# Altium PCB RS2-708_V010.PcbDoc (part 4 of 4)
Units mil, origin at the board's own origin, x right, y up, seen from the top; angles counter-clockwise.
Board outline 2677.17 x 2677.17 mil, 4 copper layers (Top Layer, Layer 1, Layer 2, Bottom Layer), stack 30.841 mil thick; 243 components, 173 nets, 854 pads, 395 vias.
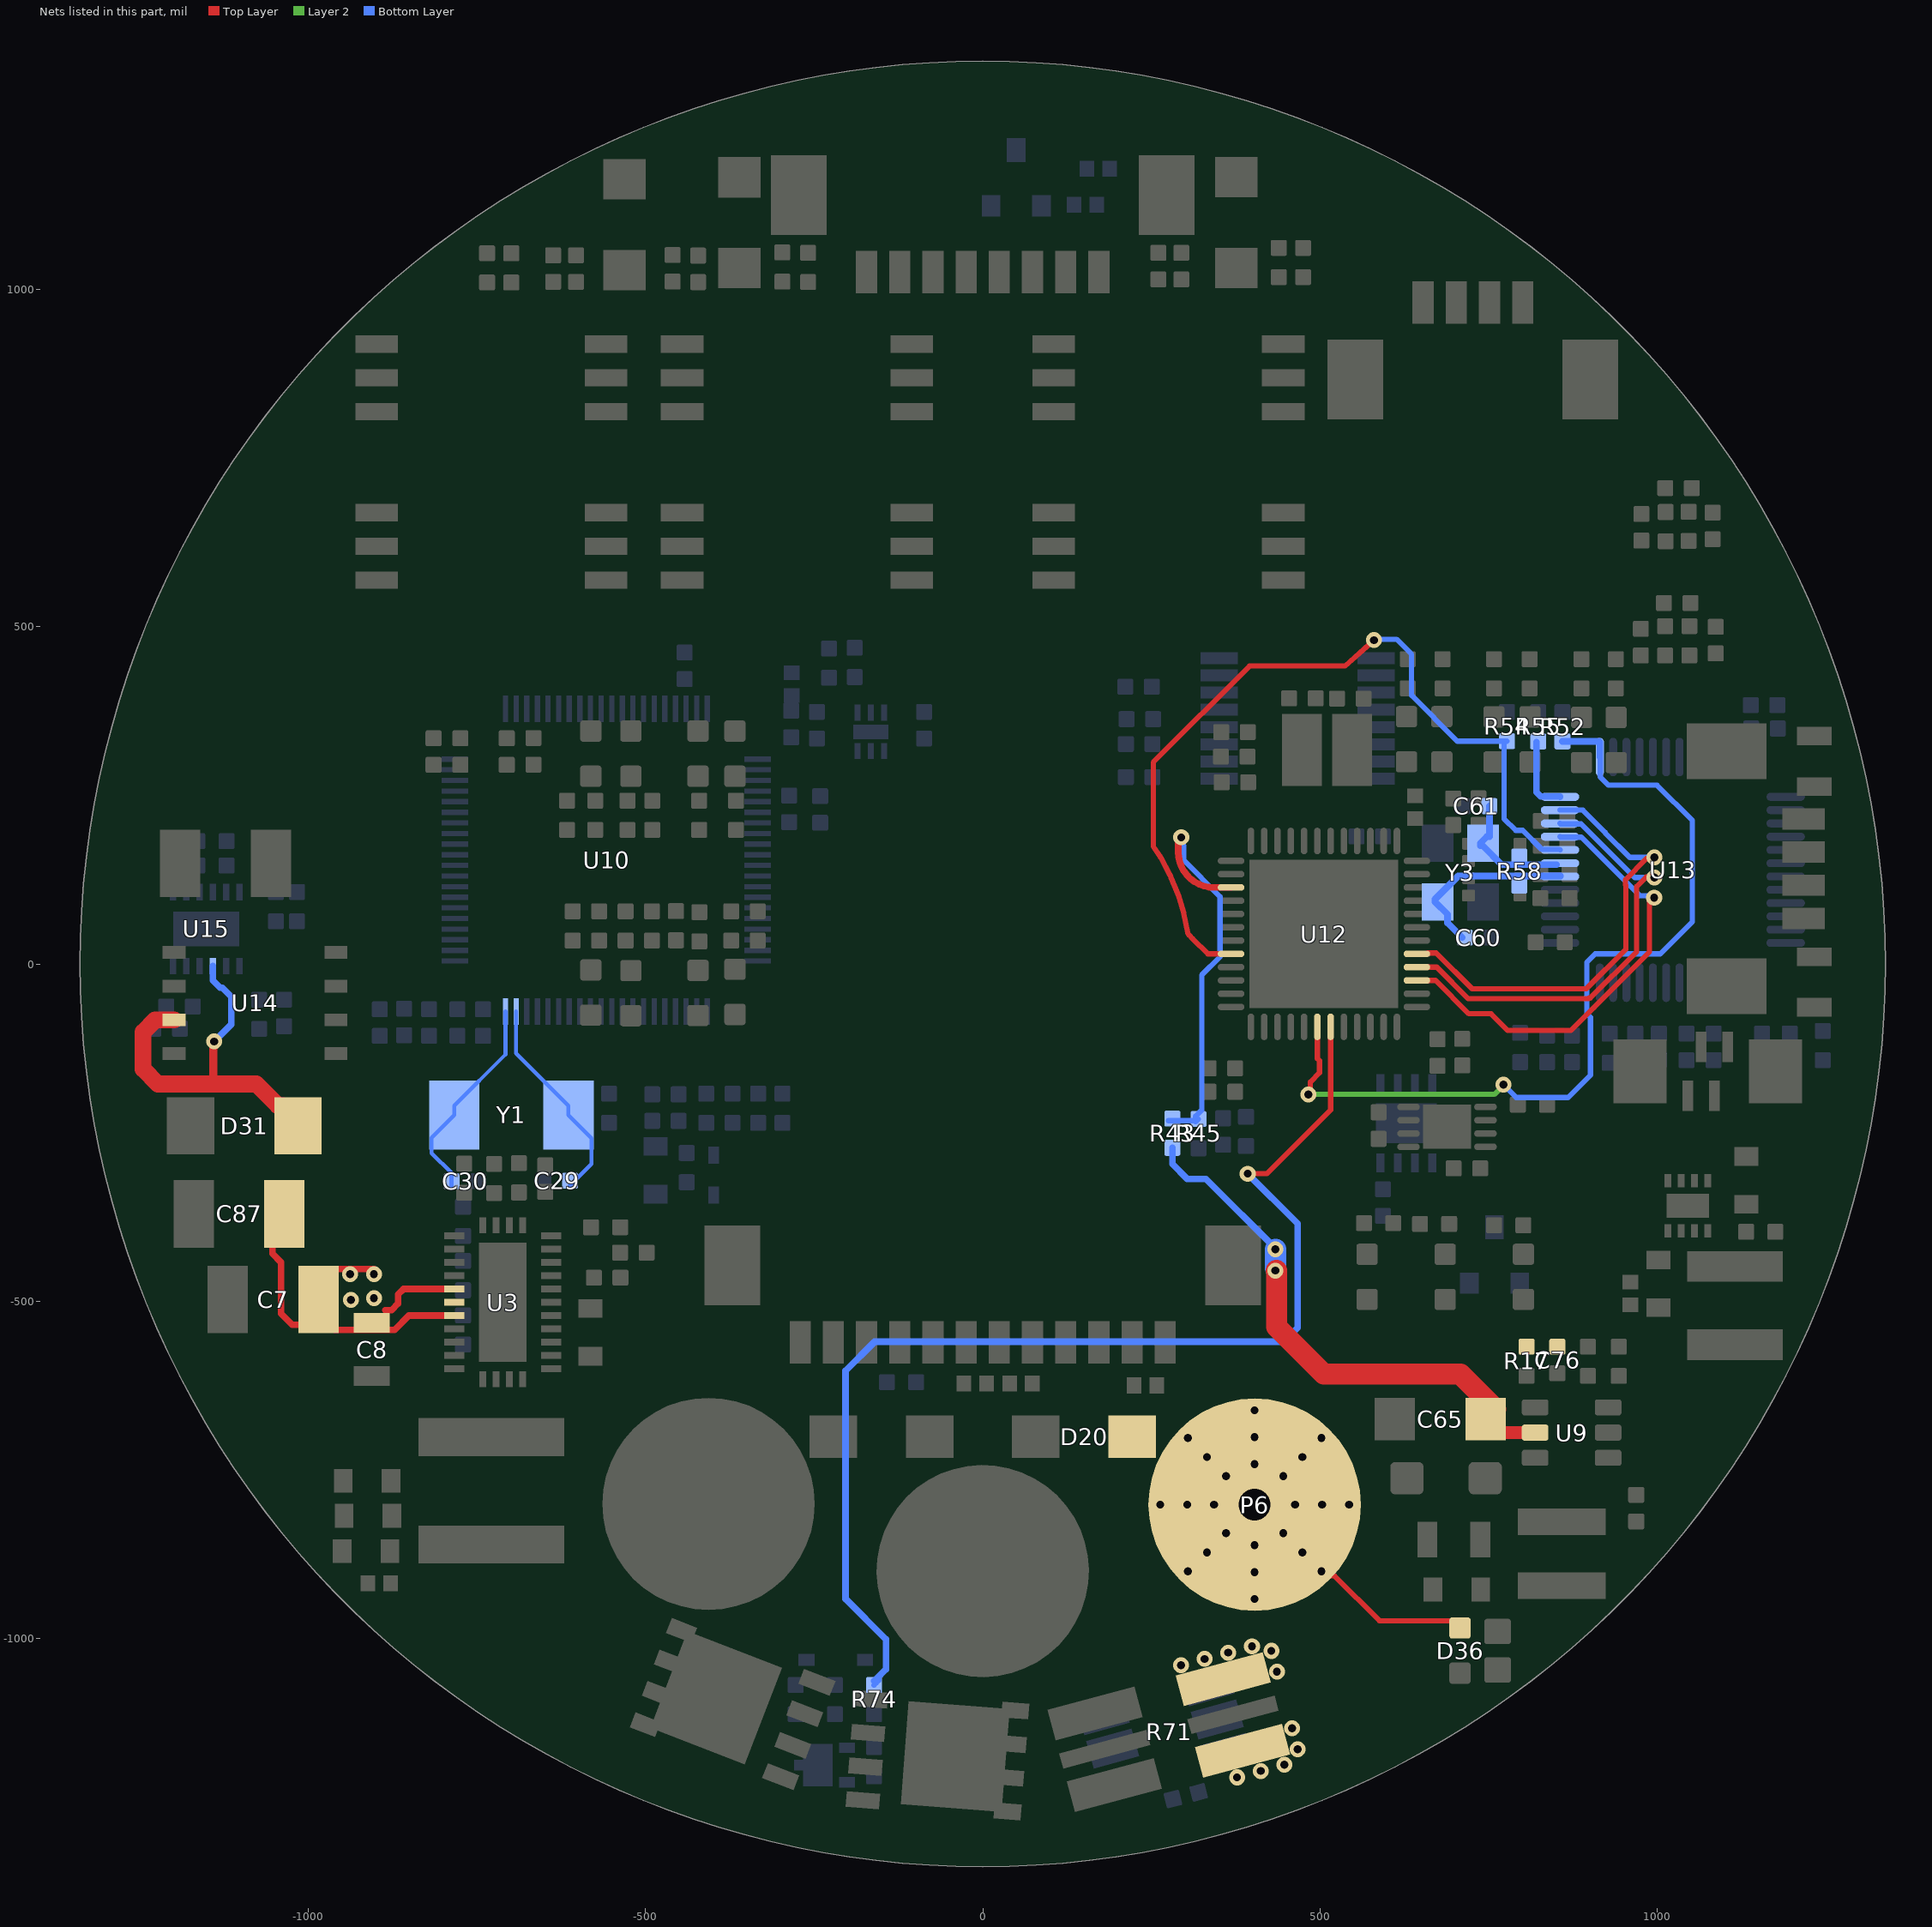
[diagram p6: the nets of this part, all layers, seen from the top]

## Via types
v1: diameter 23.62, hole 11.81, Top Layer to Bottom Layer, tented both sides, 246 vias
v2: diameter 23.62, hole 11.81, Top Layer to Bottom Layer, tented bottom, 109 vias
v3: diameter 23.62, hole 11.81, Top Layer to Bottom Layer, 37 vias
v4: diameter 78.74, hole 47.24, Top Layer to Bottom Layer, tented bottom, 3 vias

## Nets (pads, with @x,y where several pads share a name; then routed paths per layer and width w, separated by ;. In a path a pad name is that pad's centre, name@x,y a point inside that pad or via, vN(x,y) a via of type N, cw(c..) or ccw(c..) an arc to the next point about the centre after c; other vN are vias at no path point) (continued)
V_SUPPLY: R43.1 R45.2 U12.15 | length 638.2
  Top Layer w9.84: v1@293.68,187.76 ccw(c293.68,184.08) 290,184.08 290,166.12 ccw(c342.73,166.12) 342.73,113.39 U12.15@368.2,113.39
  Bottom Layer w7.87: R43.1@275.11,-232.42 317.56,-232.42 R45.2@319.87,-230.1 ; v1@297.76,188.72 297.34,188.29 297.34,175.62 297.76,175.19 297.76,153.9 352,99.67 352,10.71 324.88,-16.41 324.88,-216.46 315.55,-225.78 R45.2@315.55,-233.83
  other v1: 294.32,187.68
Vm_708: C7.2 C8.1 C65.1 C76.1 C87.1 D31.1 R17.2 R43.2 U3.20 U3.21 U3.22 U9.5 U14.3 U15.9 | length 2060
  Top Layer w9.84: C87.1@-1035.45,-370.58 -1053.28,-388.41 -1053.28,-429.58 -1040.33,-442.53 -1040.33,-518.55 -1023.83,-535.05 -1009.91,-535.05 -984.91,-510.05 -984.91,-477.5 -959.91,-452.5 -953.75,-452.5 -953.63,-452.38 v1@-910.47,-452.38 ; C7.2@-969.05,-533.37 -959.91,-542.51 -872.11,-542.51 -850.92,-521.32 U3.22@-783.54,-521.34 ; v1(-902.73,-460.12) v1@-910.47,-452.38 ; v1@-902.73,-452.38 v1@-910.47,-452.38 ; -885.9,-513.3 -876.62,-513.3 -866.78,-503.45 -866.78,-489.89 -858.85,-481.95 U3.20@-783.54,-481.97
  Top Layer w12: -1140.35,-178 -1141,-177.35 -1141,-116.35 v3(-1139.65,-115)
  Top Layer w19.68: C65.1@765.56,-694.93 U9.5@819.12,-694.93
  Top Layer w25: U14.3@-1199,-83 -1227,-83 -1245,-101 -1245,-156 -1223,-178 -1140.35,-178 -1077.17,-178 -1045.25,-209.92 -1037.77,-209.92 -1015.23,-232.46 D31.1@-1015.23,-239.94
  Top Layer w31.5: v1@435.39,-454.64 435.79,-455.04 435.79,-538.06 505.98,-608.24 708.35,-608.24 760.32,-660.21 C65.1@745.58,-674.95
  Bottom Layer w9.84: R43.2@281.23,-272.71 281.23,-296.74 303.23,-318.74 330.96,-318.74 v1@436.13,-423.9
  Bottom Layer w10: U15.9@-1141.63,-3 -1141.63,-24.37 -1130.72,-35.28 -1127.59,-35.28 -1114.28,-48.59 -1114.28,-89.63 v3(-1139.65,-115)
  Bottom Layer w31.5: v1@434.1,-450.87 v1(434.1,-423.19)
  other v1: -936.94,-498.06 -902.73,-495.76 -938.21,-460.12 434.1,-454.64
VM_BUS_EN: R74.1 U12.31 | length 1748.8
  Top Layer w7.87: v1(392.93,-311.02) 421.41,-311.02 515.84,-216.59 U12.31@515.84,-93.3
  Bottom Layer w7.87: R74.1@-161.17,-1069.25 -157.97,-1066.06 -154.25,-1062.34 -154.25,-1056.52
  Bottom Layer w9.84: R74.1@-160.88,-1063.15 -157.16,-1059.43 -154.25,-1056.52 -152.09,-1054.36 -143.48,-1045.75 -143.48,-1001.45 -203.37,-941.56 -203.37,-603.16 -160.26,-560.06 446.29,-560.06 467.04,-539.31 467.04,-385.14 v1(392.93,-311.02)
Vm_OUT: D20.2 D36.2 P6.1 R71.2 | length 247.2
  Top Layer w7.87: P6.1@495.53,-907.45 502.18,-907.45 505.88,-903.75 509.45,-903.75 513.16,-907.45 521.87,-907.45 588.36,-973.94 696.98,-973.94 D36.2@707.69,-984.64
  other v1: 377.15,-1206.09 412.24,-1196.68 447.34,-1187.28 467.09,-1164.39 458.8,-1133.48 436.29,-1049.44 293.98,-1039.95 329.08,-1030.55 364.17,-1021.14 428,-1018.53 399.27,-1011.74
  other v2: 403.18,-941.74 403.18,-901.74 304.18,-900.73 502.17,-900.73 332.47,-872.45 473.89,-872.45 403.18,-861.74 360.75,-844.16 445.61,-844.16 263.18,-801.74 303.18,-801.74 343.18,-801.74 463.18,-801.74 503.18,-801.74 543.18,-801.74 360.75,-759.31 445.61,-759.31 403.18,-741.74 332.47,-731.03 473.89,-731.03 304.18,-702.74 502.17,-702.74 403.18,-701.74 403.18,-661.74
  other v4: 403.18,-801.74
W5500_INTn: R55.1 U13.36 | length 111.8
  Bottom Layer w9.84: R55.1@821.27,328.76 821.27,254.49 827.65,248.12 855.66,248.12 U13.36@856.04,247.74
W5500_MISO: U12.40 U13.34 | length 664.1
  Top Layer w7.87: U12.40@643.8,-4.72 673.29,-4.72 720.14,-51.57 897.96,-51.57 898.87,-50.65 900.87,-50.65 969.64,18.12 969.64,114.9 983.78,129.04
  Bottom Layer w7.87: U13.34@856.04,208.37 856.72,207.69 887.31,207.69 967,128 v1(996,128)
W5500_MOSI: U12.41 U13.35 | length 673.4
  Top Layer w7.87: U12.41@643.8,14.97 659.09,14.97 660.4,16.28 672.41,16.28 725.56,-36.87 895.16,-36.87 953.85,21.82 953.85,116.71 953.23,117.33 953.23,125.23 984,156
  Bottom Layer w7.87: U13.35@856.04,228.06 889.94,228.06 922.99,195.01 922.99,194.43 959.41,158 v1(996,158)
W5500_NCS: R54.1 U12.20 U13.32 | length 1257.1
  Top Layer w7.87: 298.37,74.04 303.76,46.95 ccw(c311.48,48.51) 305.91,42.94 311.38,37.48 333.89,14.97 U12.20@368.2,14.97 ; 298.37,74.08 ccw(c286.77,71.83) 298.06,75.31 289.67,102.97 ccw(c278.35,99.6) 289.25,104.16 279.24,128.31 278.18,130.87 278.16,130.92 ccw(c267.25,126.4) 277.65,132 263.99,157.55 ccw(c253.57,151.99) 263.39,158.55 253,174.1 253,299 395.7,441.7 537.19,441.7 v1(580.2,480.14)
  Bottom Layer w7.87: v1(580.2,480.14) 581.52,481.45 613.67,481.45 635.93,459.2 635.93,398.08 703.77,330.23 773.02,330.23 R54.1@777.37,330.23 ; R54.1@776.08,330.23 773.02,327.18 773.02,215.23 790.31,197.95 800.87,197.95 829.07,169.75 855.29,169.75 U13.32@856.04,169
W5500_nRST: R52.1 U12.30 U13.37 | length 1327
  Top Layer w7.87: v1(482.77,-193.44) 485.79,-190.43 485.79,-174.93 499.31,-161.41 499.31,-143.47 496.16,-140.32 U12.30@496.16,-93.3
  Layer 2 w7.87: v1(482.77,-193.44) 758.56,-193.44 772,-180 v1(772,-179)
  Bottom Layer w7.87: v1(772,-179) 791,-198 867.99,-198 901.27,-164.71 901.27,-79.14 896.01,-73.88 896.01,2.62 908.3,14.9 1004.74,14.9 1052.35,62.51 1052.35,212.65 1000.01,264.99 928.01,264.99 915.85,277.15 915.85,306.04 U13.37@915.09,306.8
  Bottom Layer w9.84: R52.1@859.63,330 913.99,330 915.09,328.9 U13.37@915.09,306.8
W5500_SCLK: U12.39 U13.33 | length 686.9
  Top Layer w7.87: U12.39@643.8,-24.4 671.45,-24.4 720.92,-73.87 753.83,-73.87 778.63,-98.68 872.21,-98.68 906.45,-64.43 906.58,-64.43 988.62,17.61 988.62,95.64 991.11,98.13 v1(995.62,98.13)
  Bottom Layer w7.87: U13.33@856.04,188.69 856.79,187.93 887.58,187.93 974.37,101.14 992.6,101.14 v1(995.62,98.13)
X1: C29.1 U10.79 Y1.1 | length 318.3
  Bottom Layer w5.91: U10.79@-691.86,-70.41 -691.86,-132.72 -614.35,-210.22 Y1.1@-614.35,-224 -580,-258.35 -580,-296.68 C29.1@-612.32,-329
X2: C30.1 U10.80 Y1.2 | length 316.3
  Bottom Layer w5.91: C30.1@-787.68,-329 -787.68,-310.21 -817.31,-280.58 -817.31,-257.67 Y1.2@-783.65,-224 -783.65,-210.22 -707.61,-134.18 U10.80@-707.61,-70.41
XI: C60.2 R58.1 U13.30 Y3.1 | length 269.9
  Bottom Layer w9.84: 705.07,130.33 670.75,96 670.75,92 689.33,73.42 689.33,60.74 C60.2@711.06,39 ; 709.01,130.33 U13.30@856.69,130.33
XO: C61.2 R58.2 U13.31 Y3.3 | length 183.5
  Bottom Layer w9.84: Y3.3@737.75,175 737.75,179 Y3.3@747.43,188.69 ; Y3.3@741.69,175 769.37,147.32 U13.31@850.69,147.32 ; Y3.3@751.37,188.69 C61.2@751.37,234
pads on no net: D1.0 D2.0 D3.0 D4.0 D6.0 D7.0 D8.0 D9.0 D10.0 D11.0 D12.0 D13.0 D14.0 D15.0 D16.0 D17.0 D18.0 D36.0 P5.9 P5.10 P7.5 P7.6 P8.5 P8.6 P10.5 P10.6 P11.13 P11.14 U2.9 U3.11 U10.22 U10.23 U10.29 U10.30 U10.32 U10.35 U10.36 U10.37 U10.38 U10.39 U10.40 U10.41 U10.43 U10.44 U10.45 U10.46 U10.49 U10.50 U10.51 U10.52 U10.53 U10.54 U10.55 U10.56 U10.57 U10.58 U10.59 U10.60 U10.74 U10.75 U12.2 U12.3 U12.4 U12.10 U12.18 U12.19 U13.7 U13.12 U13.13 U13.18 U13.24 U13.26 U13.38 U13.39 U13.40 U13.41 U13.42 U13.43 U13.44 U13.45 U13.46 U13.47 U16.7 U16.8 U16.9 U16.10 U18. U19.4
copper on no net:
  other v3: 13.14,-1238.59 -26.13,-1235.56 -65.38,-1232.52 -104.63,-1229.48 16.18,-1199.34 -23.09,-1196.3 -62.34,-1193.27 -101.6,-1190.23 19.21,-1160.09 -20.06,-1157.05 -59.31,-1154.01 -98.56,-1150.98 22.25,-1120.83 -17.02,-1117.8 -56.27,-1114.76 -95.53,-1111.73

## Polygon pours and split planes (outlines as drawn)
V_IN on Top Layer "TOP_V_IN-RevPol-in" (solid, remove dead copper, pour order 132): -1129,1.59 ccw(c-1175.36,-2314.9) -1221.83,1.59 cw(c-1227.93,79.14) -1305.27,87.48 -1305.27,180.49 cw(c-1288.27,180.45) -1288.23,197.45 -1243.72,197.45 -1064,197.45 -1064,129.7 -1064,45.32 cw(c-1127.64,69.74)
GND on Top Layer "TOP_GND-Cu-Pour" (solid, remove dead copper, pour order 156): 369.93,1286.45 347.96,1286.45 ccw(c347.96,1277.44) 338.95,1277.44 338.95,1002.05 ccw(c350.13,1002.05) 350.13,990.88 379.66,990.88 cw(c379.66,968.53) 402.01,968.53 402.01,561.43 cw(c388.44,561.43) 388.44,547.86 158.55,547.86 cw(c158.55,564.63) 141.79,564.63 141.79,973.31 cw(c162.5,973.31) 162.5,994.02 238.62,994.02 ccw(c238.62,1005.28) 249.88,1005.28 249.88,1299.65 ccw(c231.38,1299.89) 231.62,1318.39 ccw(c0,0.01) 0,1338.58 ccw(c0,0.06) -177.47,1326.77 ccw(c-177.47,1308.21) -196.02,1308.21 -196.02,985.48 ccw(c-182.52,985.48) -182.52,971.98 -155.51,971.98 cw(c-155.51,956.23) -139.76,956.23 -139.76,566.18 cw(c-158.51,566.18) -158.51,547.43 -391.79,547.43 cw(c-391.79,562.43) -406.8,562.43 -406.8,1083.08 cw(c-389.37,1083.08) -389.37,1100.51 -372.84,1100.51 ccw(c-372.84,1115.13) -358.22,1115.13 -358.22,1279.74 ccw(c-366,1279.82) -365.92,1287.6 ccw(c-0.01,0.02) -673.72,1156.68 ccw(c-656.28,1139.23) -680.95,1139.23 -680.95,1044.75 ccw(c-665.99,1044.75) -665.99,1029.79 -606.98,1029.79 cw(c-606.98,1018.16) -595.35,1018.16 -595.35,556.91 cw(c-614.46,556.91) -614.46,537.79 -851.32,537.79 cw(c-851.32,551.09) -864.62,551.09 -864.62,1016.49 ccw(c-867.53,1016.46) -867.57,1019.38 ccw(c0,0) -1338.58,0 ccw(c0,0) -889.37,-1000.42 -861.14,-972.19 ccw(c-892.77,-940.55) -848.03,-940.55 -848.03,-679.56 cw(c-818.72,-679.56) -839.45,-658.84 cw(c-825.92,-672.37) -825.92,-653.24 -633.33,-653.24 cw(c-633.33,-673.3) -613.27,-673.3 -613.27,-1165.95 ccw(c-571.33,-1166.69) -601.52,-1195.82 ccw(c0,0) 0,-1338.58 ccw(c0,0) 912.55,-979.31 896.56,-963.32 ccw(c877.53,-982.35) 877.52,-955.43 800.77,-955.43 cw(c800.77,-944.2) 789.53,-944.2 789.53,-808.62 cw(c802.09,-808.62) 802.09,-796.06 1061.43,-796.06 ccw(c1062.02,-767.13) 1082.06,-788 ccw(c0.03,-0.02) 1202.03,-589.01 ccw(c1198.53,-592.51) 1198.53,-587.56 1047.96,-587.56 cw(c1047.96,-579.91) 1040.31,-579.91 1040.31,-422.72 cw(c1048.3,-422.72) 1048.3,-414.74 1248.72,-414.74 ccw(c1249.1,-375.93) 1276.27,-403.64 ccw(c0.02,0) 1338.58,0 ccw(c0,0)
Vm_708 on Top Layer "TOP_VM_708_12vreg-in" (solid, remove dead copper, pour order 131): -862.52,-444.28 cw(c-862.52,-454.83) -851.97,-454.83 ccw(c-833.7,-454.83) -833.7,-473.1 -765.26,-473.1 -765.26,-522.03 cw(c-770.91,-522.03) -770.91,-527.68 -840.37,-527.68 ccw(c-840.37,-552.3) -857.79,-534.89 -858.86,-535.96 cw(c-888.84,-505.97) -888.84,-548.38 -1013.05,-548.38 cw(c-1013.05,-513.25) -1048.18,-513.25 -1048.18,-472.06 ccw(c-1083.52,-472.05) -1058.53,-447.07 -1064.64,-440.96 cw(c-1018.06,-394.37) -1083.94,-394.37 -1083.94,-201.96 ccw(c-1095.71,-201.96) -1087.39,-193.63 cw(c-1074.51,-180.76) -1092.72,-180.76 -1092.72,-121.29 cw(c-1088.67,-121.29) -1089.43,-117.31 -1034.36,-117.31 cw(c-1034.36,-128.37) -1026.54,-120.55 -989.38,-157.7 cw(c-1014.2,-183.2) -978.62,-182.72 -978.62,-279.05 cw(c-997.7,-279.05) -984.21,-292.54 -993.02,-301.35 ccw(c-978.73,-315.64) -998.94,-315.64 -998.94,-402.56 ccw(c-957.21,-402.56) -957.21,-444.28
12V on Top Layer "TOP_12V_IND-OUT" (solid, remove dead copper, pour order 129): -851.34,-730.82 -851.34,-732.98 ccw(c-839.86,-732.98) -839.86,-744.46 -839.73,-744.46 -839.73,-754.51 -842.83,-754.51 ccw(c-842.89,-762.88) -851.26,-762.83 ccw(c-789.15,-759.59) -833.12,-803.56 ccw(c-797.94,-768.38) -797.95,-818.14 -637.44,-818.14 cw(c-637.44,-840.25) -615.32,-840.25 -615.32,-885.27 cw(c-633.54,-885.27) -633.54,-903.49 -831.3,-903.49 ccw(c-831.3,-916.5) -844.31,-916.5 cw(c-861.75,-916.5) -861.75,-933.93 -888.29,-933.93 cw(c-888.29,-926.91) -895.32,-926.91 -895.32,-824.52 ccw(c-941.51,-824.52) -908.85,-791.85 cw(c-881.83,-764.84) -920.04,-764.84 -920.04,-657.15 cw(c-905.55,-657.15) -907.14,-642.75 -866.69,-642.75 cw(c-866.69,-658.1) -851.34,-658.1
Vm_708 on Top Layer "TOP_VM-708_RegIn" (solid, remove dead copper, pour order 122): 754.78,-611.88 740.87,-611.88 cw(c740.87,-596.03) 729.67,-607.24 715.1,-592.67 ccw(c709.65,-598.12) 709.65,-590.41 526.82,-590.41 cw(c526.82,-559.7) 505.1,-581.42 464.25,-540.56 cw(c490.99,-513.82) 453.17,-513.82 453.17,-425.45 ccw(c436.46,-425.45) 436.46,-408.74 ccw(c436.46,-426.91) 418.29,-426.91 418.29,-536.14 ccw(c442.14,-536.14) 425.28,-553.01 495.53,-623.26 ccw(c506.64,-612.15) 506.64,-627.87 693.82,-627.87 cw(c693.84,-645.04) 711.01,-645.03 711.01,-698.99 ccw(c721.83,-698.99) 721.83,-709.82 834.71,-709.82 ccw(c834.71,-703.11) 841.41,-703.11 841.41,-685.33 ccw(c835.48,-685.33) 835.48,-679.41 787.81,-679.41 cw(c787.81,-670.13) 778.53,-670.13 778.53,-592.36 cw(c788.58,-592.36) 788.58,-582.31 860.22,-582.31 ccw(c860.22,-574.88) 867.65,-574.88 867.65,-557.31 ccw(c862.58,-557.31) 862.58,-552.24 773.37,-552.24 ccw(c773.37,-561.02) 764.58,-561.02 764.58,-601.24 cw(c754.36,-601.66)
12V on Top Layer "TOP_12V_P11-OUT" (solid, remove dead copper, pour order 154): 204.04,-500.44 204.04,-597.27 ccw(c210.85,-597.27) 210.85,-604.09 280.21,-604.09 ccw(c280.21,-595.88) 288.42,-595.88 288.42,-493.42 ccw(c277.3,-493.42) 277.3,-482.3 215.36,-482.3 ccw(c215.36,-493.52) 204.14,-493.52
Vm_OUT on Top Layer "TOP_VM_OUT_BIGSWITCH" (solid, remove dead copper, pour order 144): 533.15,-1238.22 581.56,-1220.89 586.18,-777.89 ccw(c552.7,-777.89) 576.38,-754.21 528.71,-702.84 495.97,-670.11 ccw(c425.26,-740.82) 425.26,-640.82 403.08,-640.82 365,-640.91 ccw(c365,-688.97) 331.02,-654.99 cw(c318.23,-642.21) 318.23,-660.29 191.08,-660.29 ccw(c191.08,-668.79) 182.58,-668.79 182.58,-737.44 285.99,-1096.92 300.04,-1106.39 454.78,-1065.81 465.48,-1075.45 472.09,-1104.18 463.34,-1115.6 313.48,-1154.72 308.61,-1165.17 311.61,-1176.16 347.13,-1298.41 445.75,-1271.23
NetR71_1 on Top Layer "TOP_NETR71_1_BigSwitch" (solid, remove dead copper, pour order 148): -117.24,-1161.62 -131.07,-1341.89 44.31,-1349.44 275.07,-1318.39 294.37,-1315.03 260.26,-1179.02 260.06,-1178.19 250.61,-1172.32 108.4,-1210.37 90.92,-1204.76 81.3,-1174.74 93.3,-1161.46 237.66,-1123.55 244.72,-1115.62 228.52,-1047.33 205.08,-1023.89 ccw(c193.29,-1035.68) 193.29,-1019 136.99,-1019 ccw(c136.99,-1044.3) 119.11,-1026.41 104.26,-1041.25 cw(c33.55,-970.54) 33.55,-1070.54 -83.51,-1070.54 ccw(c-83.51,-1098.55) -103.32,-1078.75 -109.43,-1084.86 ccw(c-102.24,-1092.05) -112.41,-1092.05 -112.12,-1090.02
NetD19_1 on Top Layer "TOP_D19_1_BigSwitch" (solid, remove dead copper, pour order 147): -287.32,-1087.94 -277.08,-1082.63 -224.75,-1101.97 -194.04,-1073.15 -138.3,-1076.56 -131.47,-1081.11 -140.57,-1205.1 -146.64,-1212.68 -201.24,-1209.27 -283.9,-1247.57 -336.99,-1227.09 -341.54,-1216.48 -287.42,-1087.96
V_IN on Top Layer "TOP_V_IN_Switch_IN" (solid, remove dead copper, pour order 145): -592.76,-1201.49 ccw(c-546.68,-1201.49) -579.26,-1234.07 -451.36,-1287.62 -391.4,-1287.62 cw(c-391.4,-1291.93) -388.36,-1288.88 -340.15,-1180.4 -182.5,-751.01 -181.05,-669 ccw(c-191.06,-669) -191.06,-658.99 -302.5,-658.99 cw(c-302.5,-619.1) -330.7,-647.31 ccw(c-358.14,-674.74) -358.14,-635.94 -406.82,-635.96 -431.28,-635.96 ccw(c-431.28,-735.96) -501.99,-665.25 -563.47,-726.72 ccw(c-492.76,-797.43) -592.76,-797.43
GND on Top Layer "TOP_GND_IN" (solid, remove dead copper, pour order 143): 55.49,-666.65 ccw(c55.49,-642.8) 72.35,-659.66 99.82,-632.2 ccw(c91.36,-623.74) 103.32,-623.74 103.47,-596.43 103.47,-539.94 cw(c111.75,-539.94) 111.75,-531.66 180.93,-531.66 cw(c180.93,-541.71) 190.99,-541.71 190.99,-582.55 ccw(c193.11,-583.12) 191.2,-584.22 191.2,-613.72 cw(c146.05,-613.72) 177.98,-645.65 128.83,-694.8 ccw(c149.57,-715.55) 120.23,-715.55 120.23,-741.09 ccw(c156.53,-741.09) 130.86,-766.76 146.54,-782.43 cw(c109.97,-819.01) 161.69,-819.02 161.69,-908.97 160.64,-928.59 cw(c60.64,-928.59) 131.35,-999.3 100.15,-1030.5 cw(c29.43,-959.79) 29.43,-1059.79 1.63,-1059.79 -28.25,-1058.23 cw(c-28.25,-958.23) -98.96,-1028.94 -132.48,-995.42 cw(c-61.77,-924.71) -161.77,-924.71 -161.77,-814.83 cw(c-118.07,-814.83) -148.97,-783.93 -131.2,-766.16 ccw(c-156.94,-740.41) -120.53,-740.41 -120.53,-681.07 cw(c-105.97,-681.21) -105.83,-666.65
GND on Top Layer "TOP_GND_Pre-Protection" (solid, remove dead copper, pour order 126): -1259.52,217.71 cw(c-1259.52,230.85) -1272.66,230.85 -1272.66,331.18 cw(c-1259.27,331.18) -1259.27,344.57 -1212.38,344.57 cw(c-1212.38,332.57) -1200.39,332.57 -1200.39,291.86 ccw(c-1185.48,291.86) -1185.48,276.96 -1143.68,277.17 -1113.54,277.17 cw(c-1113.54,260.45) -1096.83,260.45 -1096.83,217.99 cw(c-1112.64,217.99) -1112.64,202.18 -1207.71,202.18 cw(c-1207.71,209.49) -1215.02,209.49 ccw(c-1223.24,209.49) -1223.24,217.71
3V3 on Top Layer "TOP_3V3_reg out" (solid, remove dead copper, pour order 133): 981.06,-523.69 ccw(c975.61,-523.69) 975.61,-518.25 950.6,-518.25 cw(c950.6,-513.19) 945.55,-513.19 945.55,-496.77 cw(c949.85,-496.77) 949.85,-492.48 1021.59,-492.48 ccw(c1021.11,-485.88) 1027.71,-485.41 1027.71,-390.24 cw(c1032.72,-390.24) 1032.72,-385.23 1039.34,-385.23 cw(c1039.34,-387.28) 1041.39,-387.28 1041.39,-406.43 cw(c1038.65,-406.43) 1038.65,-409.17 ccw(c1038.65,-412.36) 1035.46,-412.36 1035.46,-532.54 ccw(c1041.62,-532.54) 1041.62,-538.7 1062.37,-538.52 1181.95,-538.52 cw(c1182.08,-547.33) 1190.89,-547.19 1190.89,-586.26 cw(c1183.71,-586.26) 1183.71,-593.45 991.71,-593.45 cw(c991.71,-582.8) 981.06,-582.8
5V on Top Layer "TOP_5v_3vregin" (solid, remove dead copper, pour order 136): 1148.61,-267.19 cw(c1148.61,-270.41) 1151.82,-270.41 1151.82,-299.52 cw(c1148.02,-299.52) 1148.02,-303.32 1112.43,-303.22 1070.29,-303.22 ccw(c1070.29,-310.57) 1062.94,-310.57 1062.94,-327.67 cw(c1057.98,-327.67) 1057.98,-332.63 1034.14,-332.66 cw(c1034.14,-327.27) 1028.75,-327.27 1028.75,-274.18 cw(c1035.74,-274.18) 1035.74,-267.19